# Altium PCB Home Automation.PcbDoc
Units mil, origin at the board's own origin, x right, y up, seen from the top; angles counter-clockwise.
Board outline 3287 x 3937 mil, 4 copper layers (Top Layer, GND_layer, 3.3V_layer, Bottom Layer), stack 23.756 mil thick; 72 components, 45 nets, 263 pads, 74 vias.
Unrouted connection lines stored in the file: 4.
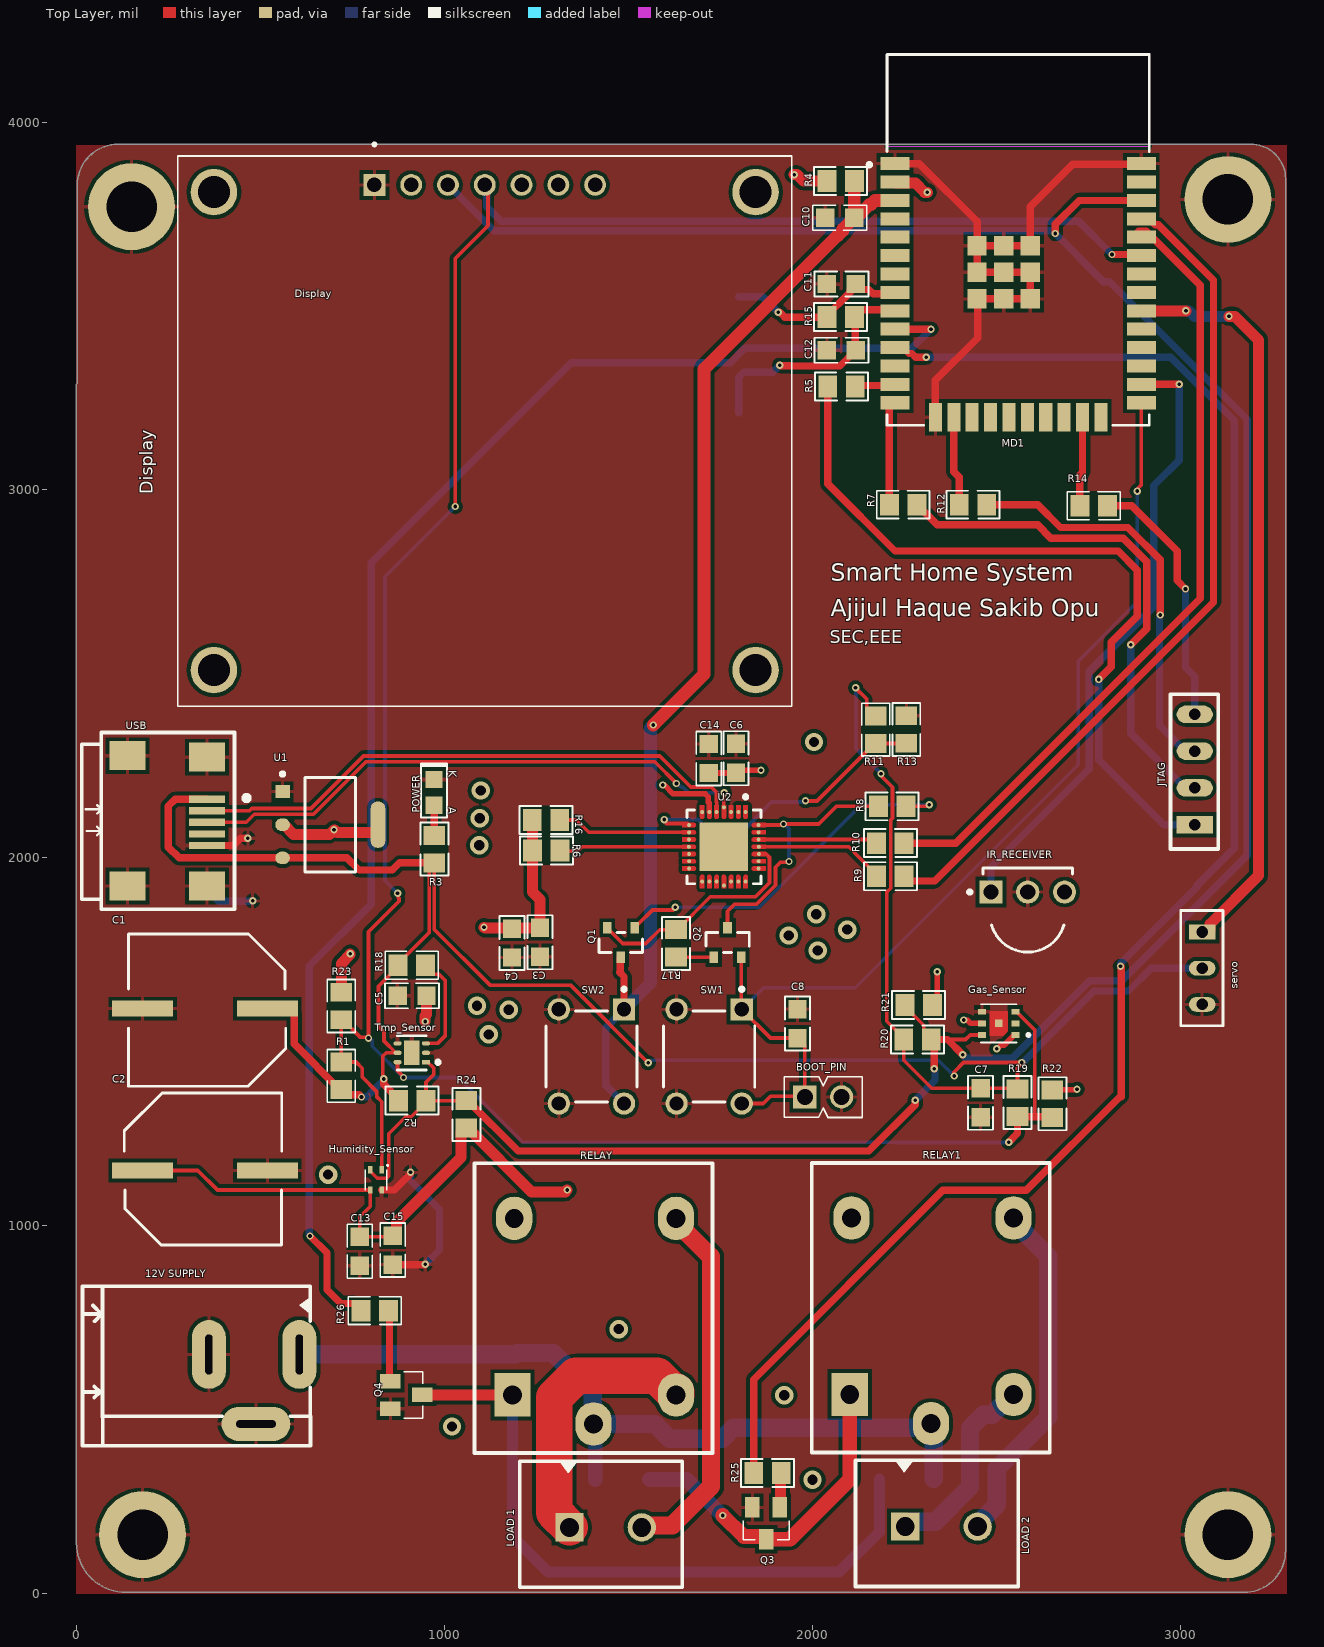
[diagram p0: Top Layer view]
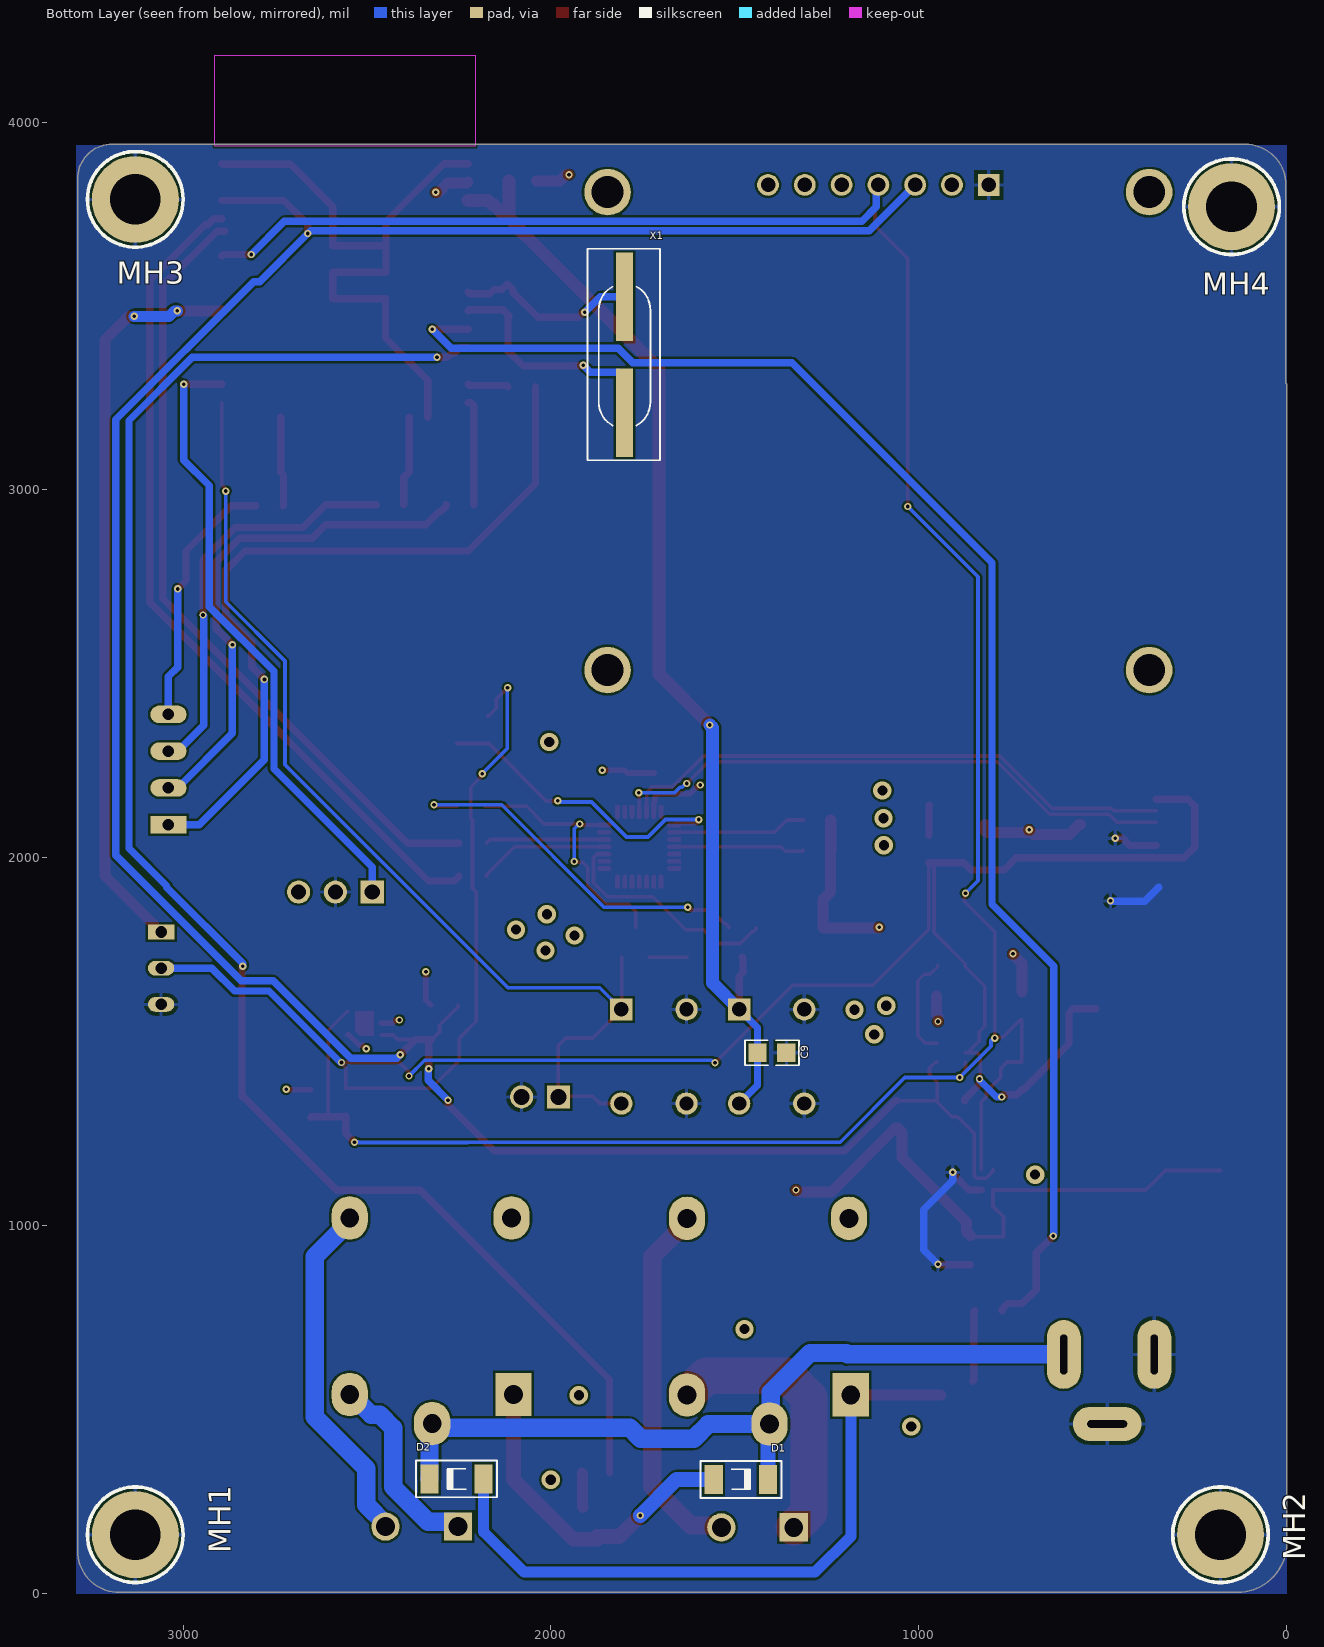
[diagram p1: Bottom Layer view, seen from below]
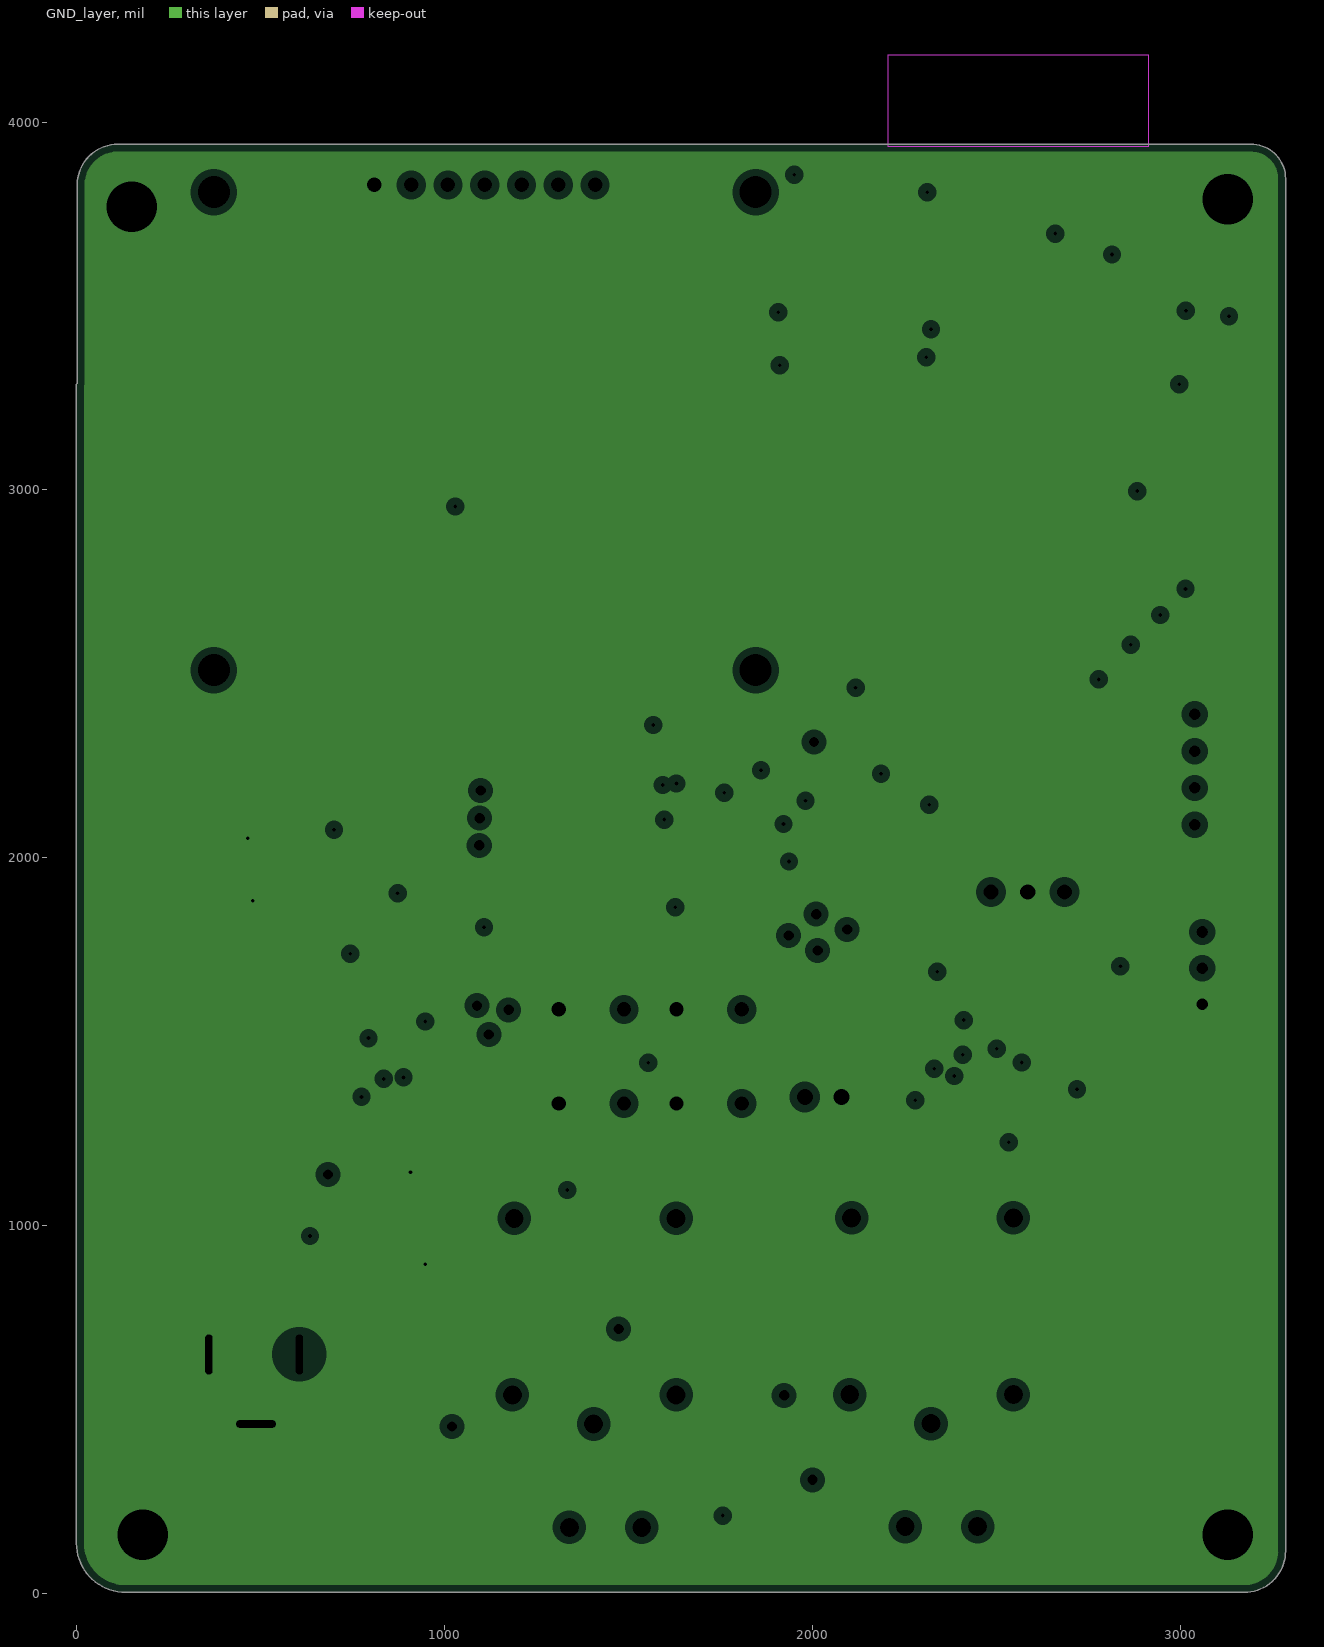
[diagram p2: GND_layer, clearances drawn from the general rule]
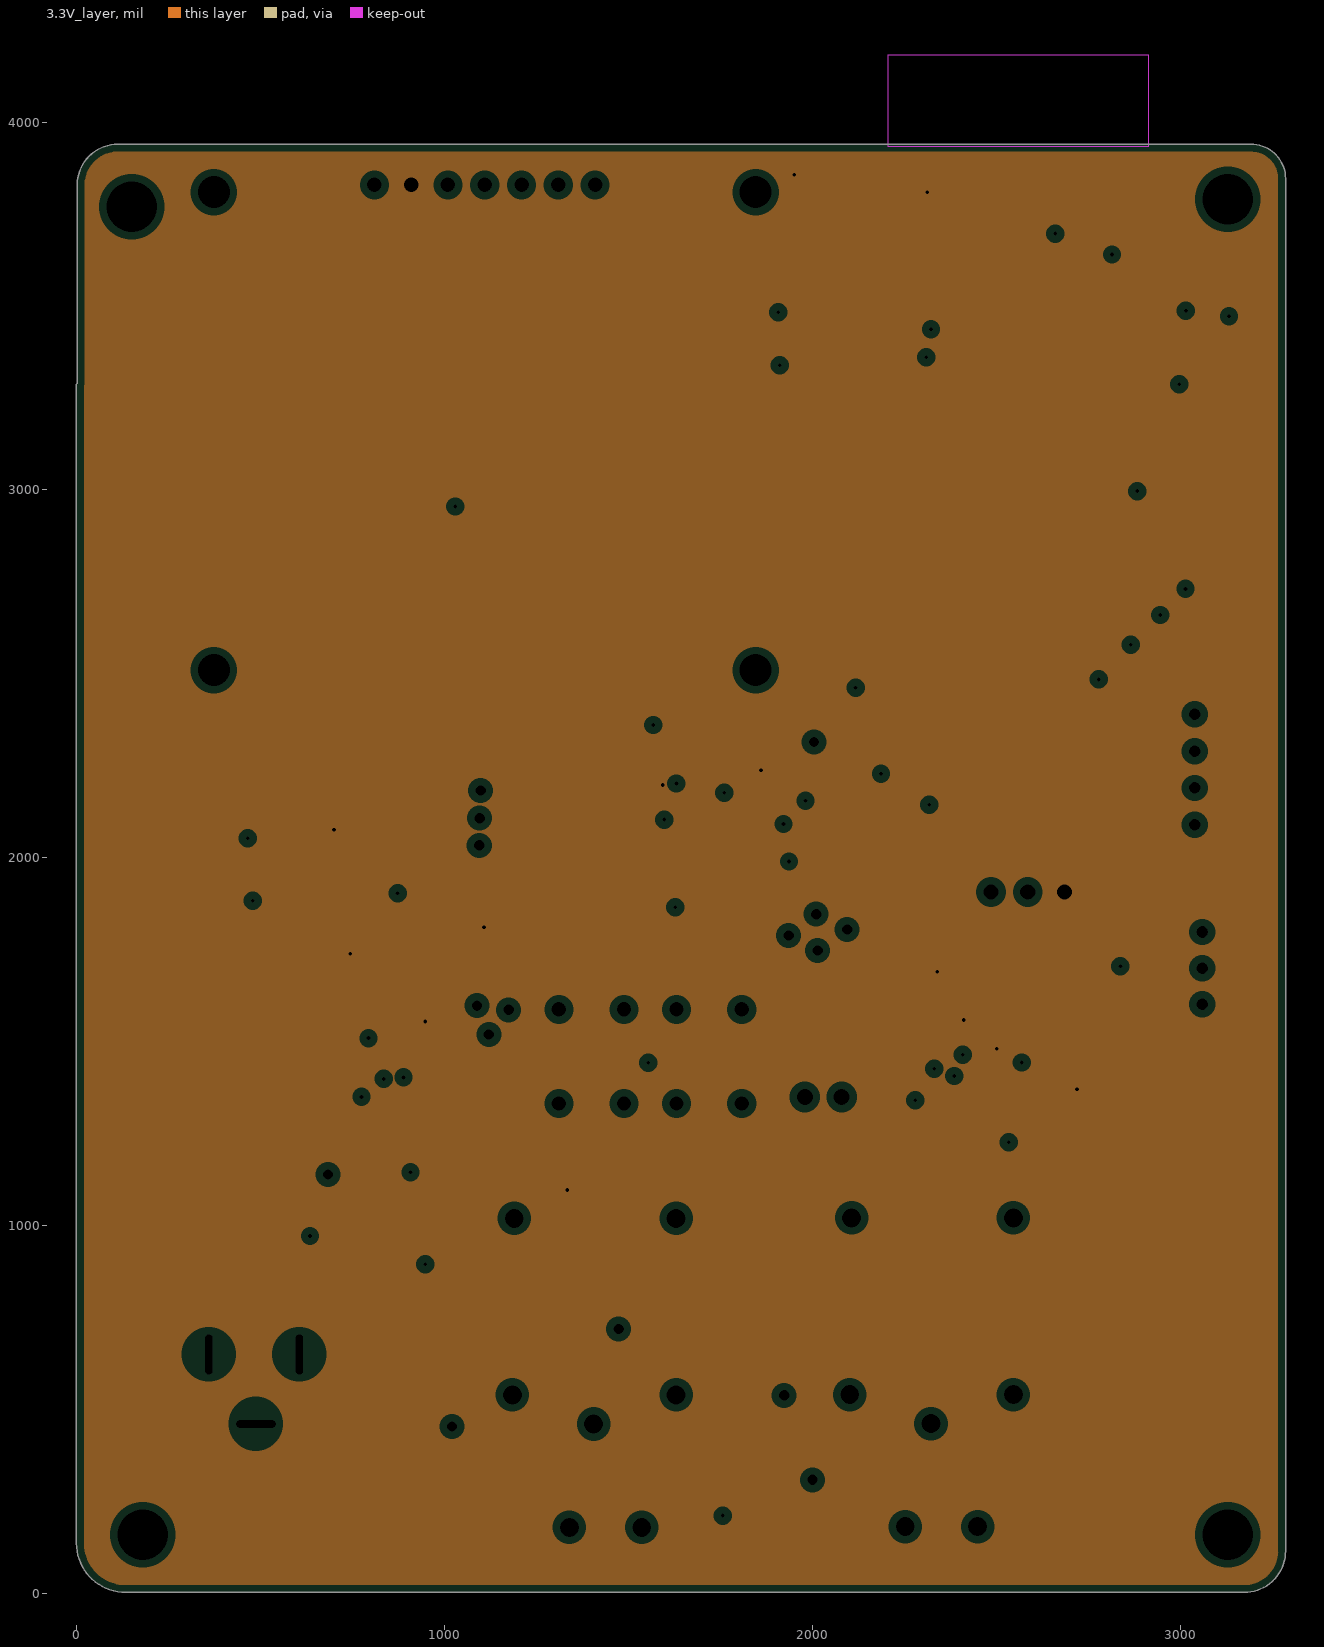
[diagram p3: 3.3V_layer, clearances drawn from the general rule]
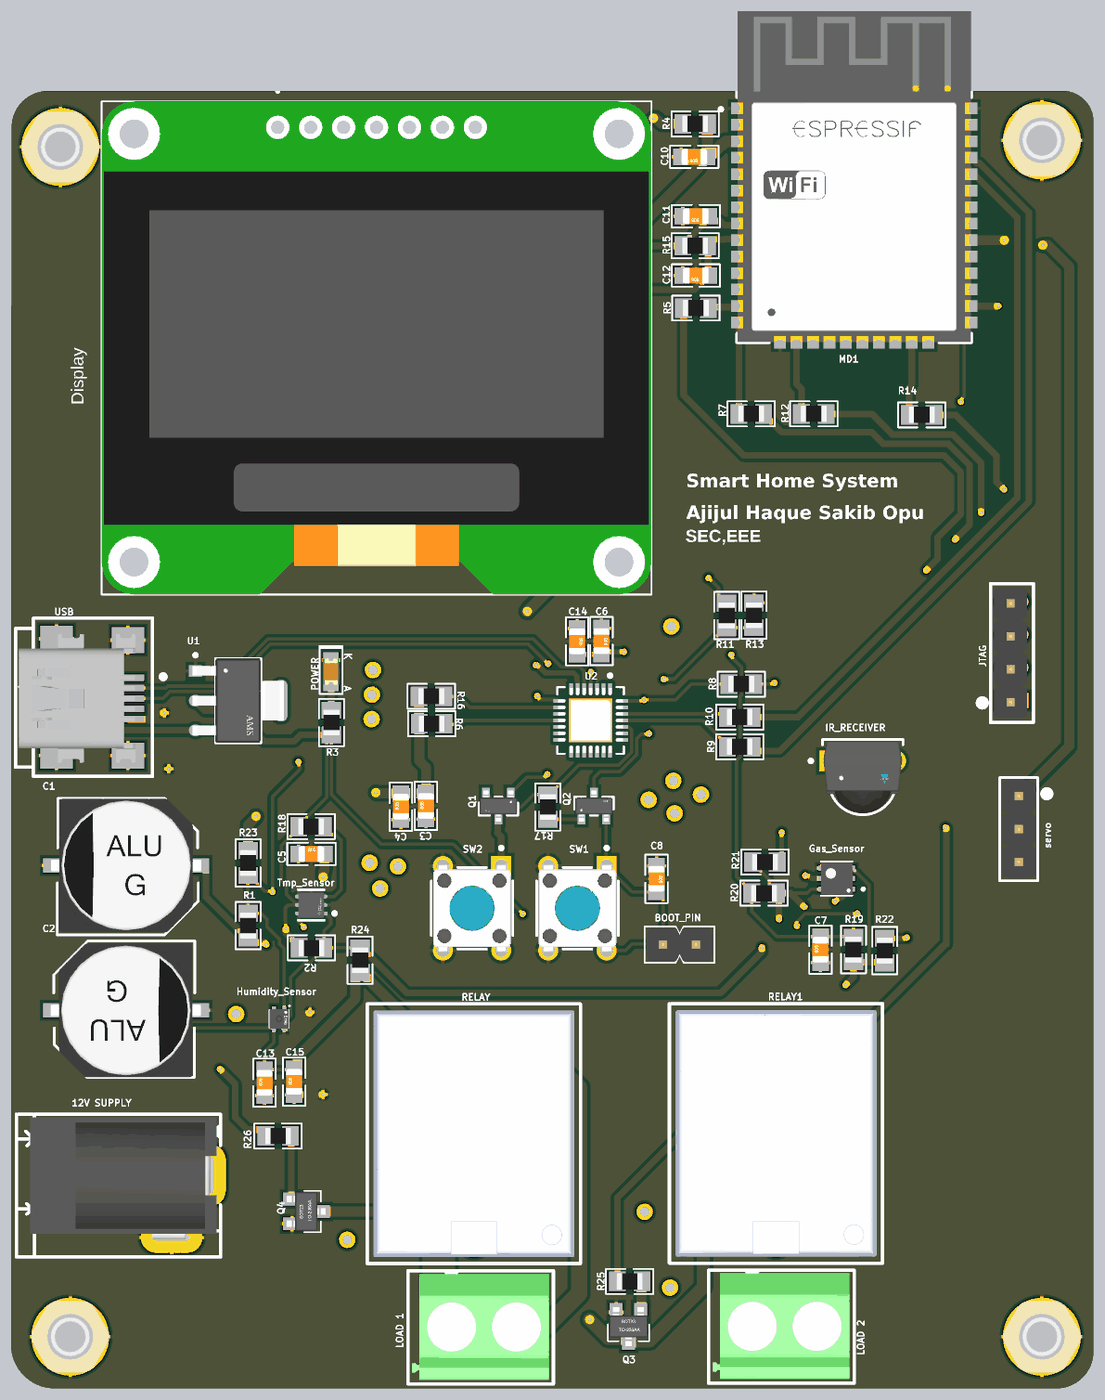
[diagram p4: 3D render of the assembled board from above, using the file's embedded part models]
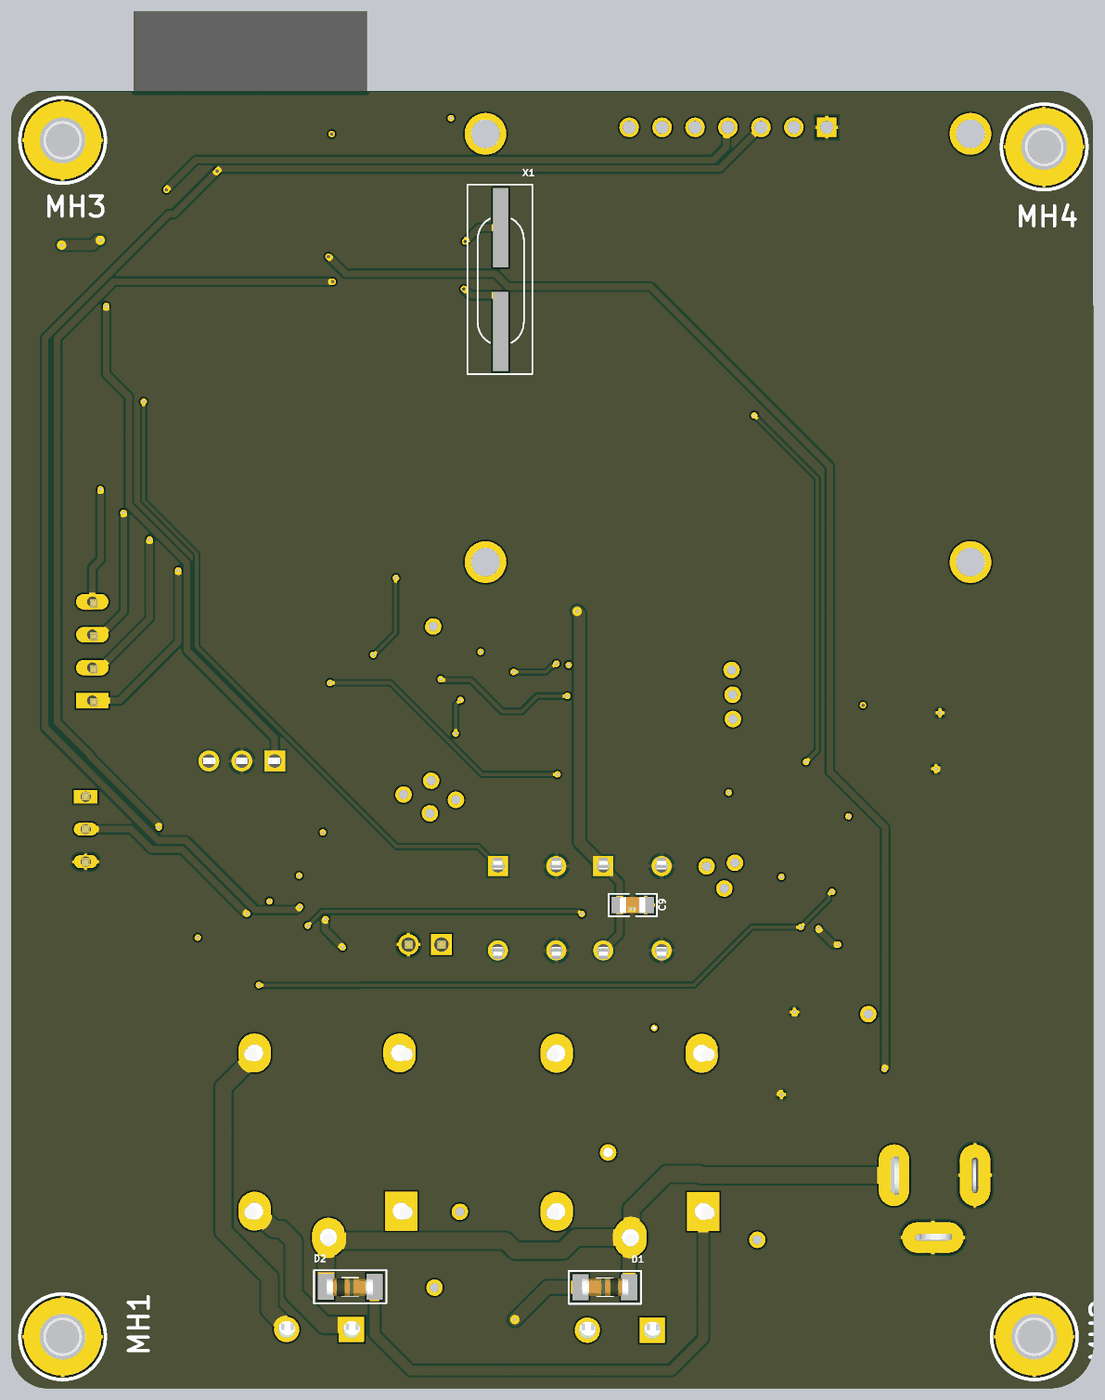
[diagram p5: 3D render of the assembled board from below, using the file's embedded part models]

## Layer stack, top to bottom
Top Solder: solder mask 0.4, Solder Resist, Dk 3.5
Top Layer: signal copper 1.4
Dielectric 2: prepreg 2.8, PP-006, Dk 4.1
GND_layer: plane copper 1.378, net GND
Dielectric 1: dielectric 12.6, FR-4, Dk 4.8
3.3V_layer: plane copper 1.378, net 3V3
Dielectric 3: prepreg 2.8, PP-006, Dk 4.1
Bottom Layer: signal copper 1.4
Bottom Solder: solder mask 0.4, Solder Resist, Dk 3.5

## Board outline
0,137 0,3288 2,3290 2,3829 cw(c113,3829) 113,3940 3193,3940 cw(c3193,3846) 3287,3846 3287,116 cw(c3174,116) 3174,3 134,3 cw(c134,137)

## Design rules (kind name [scope] priority, off if disabled: settings)
Clearance top_layer_polygon [InNamedPolygon('GND_L01_P000')] p1: gap=10 ignorepadtopadclearanceinfootprint=FALSE except(0: Arc-Hole Track-Hole SMDPad-Hole THPad-Hole Via-Hole Fill-Hole Poly-Hole Region-Hole Text-Hole)
Clearance top [InNamedPolygon('GND_L01_P000')] p2: gap=10 ignorepadtopadclearanceinfootprint=FALSE except(0: Arc-Hole Track-Hole SMDPad-Hole THPad-Hole Via-Hole Fill-Hole Poly-Hole Region-Hole Text-Hole)
Clearance [All] p3: gap=6 ignorepadtopadclearanceinfootprint=TRUE
PlaneClearance [All] p1: clearance=20
PlaneConnect [All] p1: planeconnectstyle=Relief reliefexpansion=20 reliefentries=4 reliefconductorwidth=10 reliefairgap=10
PolygonConnect [All] p1: connectstyle=Relief reliefconductorwidth=10 reliefentries=4 polygonreliefangle="90 Angle" airgapwidth=10
RoutingVias [All] p1: holewidth=10 width=20 viastyle="Through Hole" minholewidth=10 minwidth=20 maxholewidth=10 maxwidth=20
SolderMaskExpansion [All] p1: expansion=4 istentingtop=FALSE
Width Width_2 [All] p1: maxlimit=1000 minlimit=10 preferedwidth=20
Width Width_1 [(InNet('3V3') OR InNet('12V') OR InNet('3V3') OR InNet('GND'))] p2: maxlimit=10 minlimit=10 preferedwidth=10
Width [All] p3: maxlimit=1000 minlimit=10 preferedwidth=11
28 further rules are at their usual default settings.

## Components (designator, comment, footprint, x,y, rotation, side; value= is the part's Value field where it differs from the comment)
"12V SUPPLY" "DC -JACK" CON3_129_PJ-002A_TH_RA 606,650 r0 top
BOOT_PIN "BERSTICK 2.5MM, MALE" CON2_100_43D62_TH_ST 2030,1350 r0 top
C1 "10uF" ACAP_P339_D393_H531_RAD 349.5,1590 r180 top
C2 "22uF" ACAP_P339_D393_H531_RAD 349.5,1150 r0 top
C3 "4.7uF" CAP_0805 1260,1770.63 r90 top
C4 "0.1uF" CAP_0805 1184,1768.37 r90 top
C5 "10uF" CAP_0805 912.37,1625 r0 top
C6 "0.1uF" CAP_0805 1793,2270.63 r270 top
C7 "0.1uF" CAP_0805 2458,1334.37 r90 top
C8 "0.1uF" CAP_0805 1960,1549.37 r270 top
C9 "0.1uF" CAP_0805 1399.37,1470 r0 bottom
C10 "0.1uF" CAP_0805 2074.85,3740 r180 top
C11 "18pF" CAP_0805 2079.37,3560 r180 top
C12 "18pF" CAP_0805 2079.37,3380 r180 top
C13 "100pF" CAP_0805 770,930.63 r90 top
C14 "100pF" CAP_0805 1719,2270 r270 top
C15 "1uF" CAP_0805 860,933.63 r90 top
D1 "18V-ZENER" DIO_SOD80C 1483.82,310 r0 bottom
D2 "18V-ZENER" DIO_SOD80C 2256.82,312 r180 bottom
Display "AOM12864A0-1.54WW-ANO" LCD_AOM12864A0-1.54WW-ANO 1110,3160 r0 top
Gas_Sensor "SGP41-D-R4" XDCR_SGP41-D-R4 2507,1550 r180 top
Humidity_Sensor "SHT4X" SHT4X 814.25,1124.44 r270 top
IR_RECEIVER "TSOP34138" FP-6_550-5169_01-4-MFG 2586,1857.79 r270 top
JTAG "4X1 BERG STRIP" CON4_100_40D72_TH_ST_MALE 3040,2090 r180 top
"LOAD 1" "TERMINAL BLOCK 2 PIN" CON2_P196_1729128_TH_ST 1340,180 r0 top
"LOAD 2" "TERMINAL BLOCK 2 PIN" CON2_P196_1729128_TH_ST 2253,182 r0 top
MD1 "ESP32-WROOM-32D" FP-ESP32-WROOM-32D-MFG 2560,3680 r0 top
MH1 "Mounting Hole" MOUNTING 3130,160 r180 bottom
MH2 "Mounting Hole" MOUNTING 180,160 r180 bottom
MH3 "Mounting Hole" MOUNTING 3130,3790 r180 bottom
MH4 "Mounting Hole" MOUNTING 150,3770 r180 bottom
POWER "GREEN LED" LED_0805 972,2178 r270 top
Q1 "SS8050-G" FP-SS8050-G-MFG 1480,1770 r270 top
Q2 "SS8050-G" FP-SS8050-G-MFG 1770,1770 r90 top
Q3 "2N2222AUBMS-ND" "SOT 23-3" 1875,191 r90 top
Q4 "2N2222AUBMS-ND" "SOT 23-3" 896.69,540.01 r180 top
R1 "4.7K" RES_0805 720,1407.4 r90 top
R2 "4.7K" RES_0805 912.6,1340 r0 top
R3 "1K" RES_0805 973,2023.6 r90 top
R4 "10K" RES_0805 2077.4,3840 r0 top
R5 "100R" RES_0805 2079.6,3281 r0 top
R6 "10K" RES_0805 1277.4,2020 r0 top
R7 "100R" RES_0805 2247.4,2960 r180 top
R8 "10K" RES_0805 2217.4,2140 r180 top
R9 "470R" RES_0805 2212.6,1950 r180 top
R10 "470R" RES_0805 2212.6,2040 r180 top
R11 "22K" RES_0805 2173,2348.4 r270 top
R12 "100R" RES_0805 2437.4,2960 r180 top
R13 "47.5KK" RES_0805 2256,2349 r90 top
R14 "100R" RES_0805 2765.4,2957 r180 top
R15 "1M" RES_0805 2077.4,3470 r0 top
R16 "2K" RES_0805 1276.4,2103 r180 top
R17 "10K" RES_0805 1630,1767.4 r90 top
R18 "4.7K" RES_0805 911.4,1708 r0 top
R19 "4.7K" RES_0805 2558,1334.6 r270 top
R20 "4.7K" RES_0805 2286.4,1506 r0 top
R21 "4.7K" RES_0805 2289.4,1600 r180 top
R22 "4.7K" RES_0805 2653,1331.6 r270 top
R23 "10K" RES_0805 720,1597.4 r270 top
R24 "10K" RES_0805 1060,1302.6 r90 top
R25 "1K" RES_0805 1878.4,328 r180 top
R26 "1K" RES_0805 811,769 r180 top
RELAY "JQC-3F-5VDC" RLY_JQC_3F_5VDC 1630,1020 r90 top
RELAY1 "JQC-3F-5VDC" RLY_JQC_3F_5VDC 2547.09,1021.06 r90 top
servo "3X1 BERG STRIP" CON3_100_40D72_TH_ST-MALE 3060,1798.43 r0 top
SW1 "1-1825910-0" FP-1-1825910-0-MFG 1720,1460 r90 top
SW2 "1-1825910-0" FP-1-1825910-0-MFG 1400,1460 r90 top
Tmp_Sensor "TMP116AIDRVR" FP-DRV0006A-IPC_C 911.49,1470 r180 top
U1 "AMS1117-3.3" FP-AMS1117-IPC_C 690,2090 r0 top
U2 "CP2102N-A01-GQFN28" FP-CP2102N-A01-GQFN28-MFG 1760,2030 r270 top
USB "USB2.0 MINI B" CON_690-005-299-043 355,1923.27 r0 top
X1 "8Mhz" XTAL_314_240X47_SMD 1800,3210 r90 bottom

## Footprints (in the part's own frame and the unit in brackets; to place one, negate y for a bottom-side part, rotate by r counter-clockwise, add the part's x,y. Pads: shape width x height; smd on the part's side, far side on the other; paste and mask are expansions set on the pad)
ACAP_P339_D393_H531_RAD [mm] "Aluminium Capacitor"
  rect 4.2x1.1 smd paste+0 mask+0.076: 1(-4.305,0) 2(4.305,0)
  silkscreen extent -5.58,-5.16 5.3,5.36, body extent -5.81,-5.15 5.79,5.15, height 10.2
CAP_0805 [mil] "Ceramic Capacitor"
  rect 50x50 smd mask+3: 1(-39.37,0) 2(39.37,0)
  silkscreen extent -73,-34 73,34, body extent -39,-25 39,25, height 31
CON2_100_43D62_TH_ST [mm] "Berg Strip"
  rect 1.6x1.6 hole 1.1: 1(-1.27,0)
  round 1.6 hole 1.1: 2(1.27,0)
  silkscreen extent -2.69,-1.42 2.69,1.4, body extent -2.54,-1.27 2.54,1.27, height 8.54
CON2_P196_1729128_TH_ST [mm] "Terminal Block"
  rect 1.95x1.95 / inner round 1.95 / far side rect 1.95x1.95 hole 1.3: 1(0,0)
  round 1.95 hole 1.3: 2(5,0)
  silkscreen extent -3.43,-4.14 7.8,4.57, body extent -3.13,-3.83 7.44,4.32, height 10.51
CON3_100_40D72_TH_ST-MALE [mil] "Berg Strip"
  rect 72x40 hole 31.5: 1(0,0)
  oval 72x40 hole 31.5: 2(0,-98.43) 3(0,-196.85)
  round 40 on Top Overlay: ""(85,9)
  silkscreen extent -58,-255 57,58, body extent -50,-248 50,52, height 337
CON3_129_PJ-002A_TH_RA [mm] "DC JACK"
  oval 2.35x4.75 hole 0.5 slot 2.75 at 90 deg: 1(0,0) 2(-6.248,0)
  oval 4.75x2.35 hole 2.75 slot 0.5 at 90 deg: 3(-2.997,-4.801)
  silkscreen extent -14.98,-6.3 0.81,4.7, body extent -13.92,-4.93 0.48,4.47, height 11.01
CON4_100_40D72_TH_ST_MALE [mm] "Berg Strip"
  rect 2.5x1.2 hole 0.8: 1(0,0)
  oval 2.5x1.2 hole 0.8: 2(0,-2.54) 3(0,-5.08) 4(0,-7.62)
  round 1.016 on Top Overlay: ""(2.311,0.178)
  silkscreen extent -1.63,-9.02 1.68,1.68, body extent -1.14,-8.76 1.4,1.4, height 8.55
CON_690-005-299-043 [mm] "USB MINI-B"
  rect 2.5x0.5 smd: 1(0,6) 2(0,5.2) 3(0,4.4) 4(0,3.6) 5(0,2.8)
  rect 2.5x2 smd: 6(-5.5,0) 6(-5.5,9) 6(0,0) 6(0,8.9)
  silkscreen extent -8.66,-1.6 2.88,10.6, body extent -8.4,-0.55 0.6,9.35, height 3.96
DIO_SOD80C [mm] "Voltage regulator diodes"
  rect 1.25x2 smd: A(1.875,0) K(-1.875,0)
  silkscreen extent -2.8,-1.27 2.79,1.27, body extent -1.83,-0.78 1.77,0.72, height 1.5
FP-1-1825910-0-MFG [mm]
  rect 1.54x1.54 hole 0.99 paste-1000 mask+0: 1(3.25,-2.25)
  round 1.54 hole 0.99 paste-1000 mask+0: 2(-3.25,-2.25) 3(3.25,2.25) 4(-3.25,2.25)
  silkscreen extent -3.15,-3.15 4.77,3.15, body extent -4.12,-3.24 4.12,3.24, height 0.25
FP-6_550-5169_01-4-MFG [mm]
  rect 1.6x1.6 hole 1.05 paste-1000 mask+0: 1(-1.25,-2.54)
  round 1.6 hole 1.05 paste-1000 mask+0: 2(-1.25,0) 3(-1.25,2.54)
  silkscreen extent -2.9,-4.12 2.9,3.1, body extent -3,-3.44 3,3.44, height 0.25
FP-AMS1117-IPC_C [mm]
  rect 1.004x0.872 smd paste+0 mask+0: 1(-3.295,2.29)
  rrect100% 1.004x0.872 smd paste+0 mask+0: 2(-3.295,0) 3(-3.295,-2.29)
  rrect87% 1.004x3.182 smd paste+0 mask+0: 4(3.295,0)
  silkscreen extent -3.42,-3.25 1.75,3.62, body extent -3.9,-3.35 3.9,3.35, height 0.25
FP-CP2102N-A01-GQFN28-MFG [mm]
  round 0.27 smd paste+0 mask+0: 1(-2.4,1.5) 2(-2.4,1) 3(-2.4,0.5) 4(-2.725,0) 5(-2.4,-0.5) 6(-2.4,-1) 7(-2.4,-1.5) 8(-1.5,-2.4) 9(-1,-2.4) 10(-0.5,-2.416) 11(0,-2.416) 12(0.5,-2.4) 13(1,-2.4) 14(1.5,-2.4) 15(2.4,-1.5) 16(2.4,-1) 17(2.4,-0.5) 18(2.675,0) 19(2.4,0.5) 20(2.4,1) 21(2.4,1.5) 22(1.5,2.4) 23(1,2.4) 24(0.5,2.416) 25(0,2.416) 26(-0.5,2.4) 27(-1,2.4) 28(-1.5,2.4)
  rect 3.35x3.35 smd paste-1000 mask+0: 29(0,0)
  Top Layer region: -1.35,2.875 -1.35,2.075 -1.361,2.018 -1.394,1.969 -1.443,1.936 -1.5,1.925 -1.5,1.925 -1.557,1.936 -1.606,1.969 -1.639,2.018 -1.65,2.075 -1.65,2.075 -1.65,2.875
  Top Layer region: -0.85,2.875 -0.85,2.075 -0.861,2.018 -0.894,1.969 -0.943,1.936 -1,1.925 -1,1.925 -1.057,1.936 -1.106,1.969 -1.139,2.018 -1.15,2.075 -1.15,2.075 -1.15,2.875
  Top Layer region: -0.35,2.875 -0.35,2.075 -0.361,2.018 -0.394,1.969 -0.443,1.936 -0.5,1.925 -0.5,1.925 -0.557,1.936 -0.606,1.969 -0.639,2.018 -0.65,2.075 -0.65,2.075 -0.65,2.875